# Altium PCB CL-HC-M-V2.1.PcbDoc (part 1 of 19)
Units mil, origin at the board's own origin, x right, y up, seen from the top; angles counter-clockwise.
Board outline 27559.06 x 27559.06 mil, 2 copper layers (TopLayer, BottomLayer); 704 components, 528 nets, 2453 pads, 1851 vias.
Unrouted connection lines stored in the file: 126.
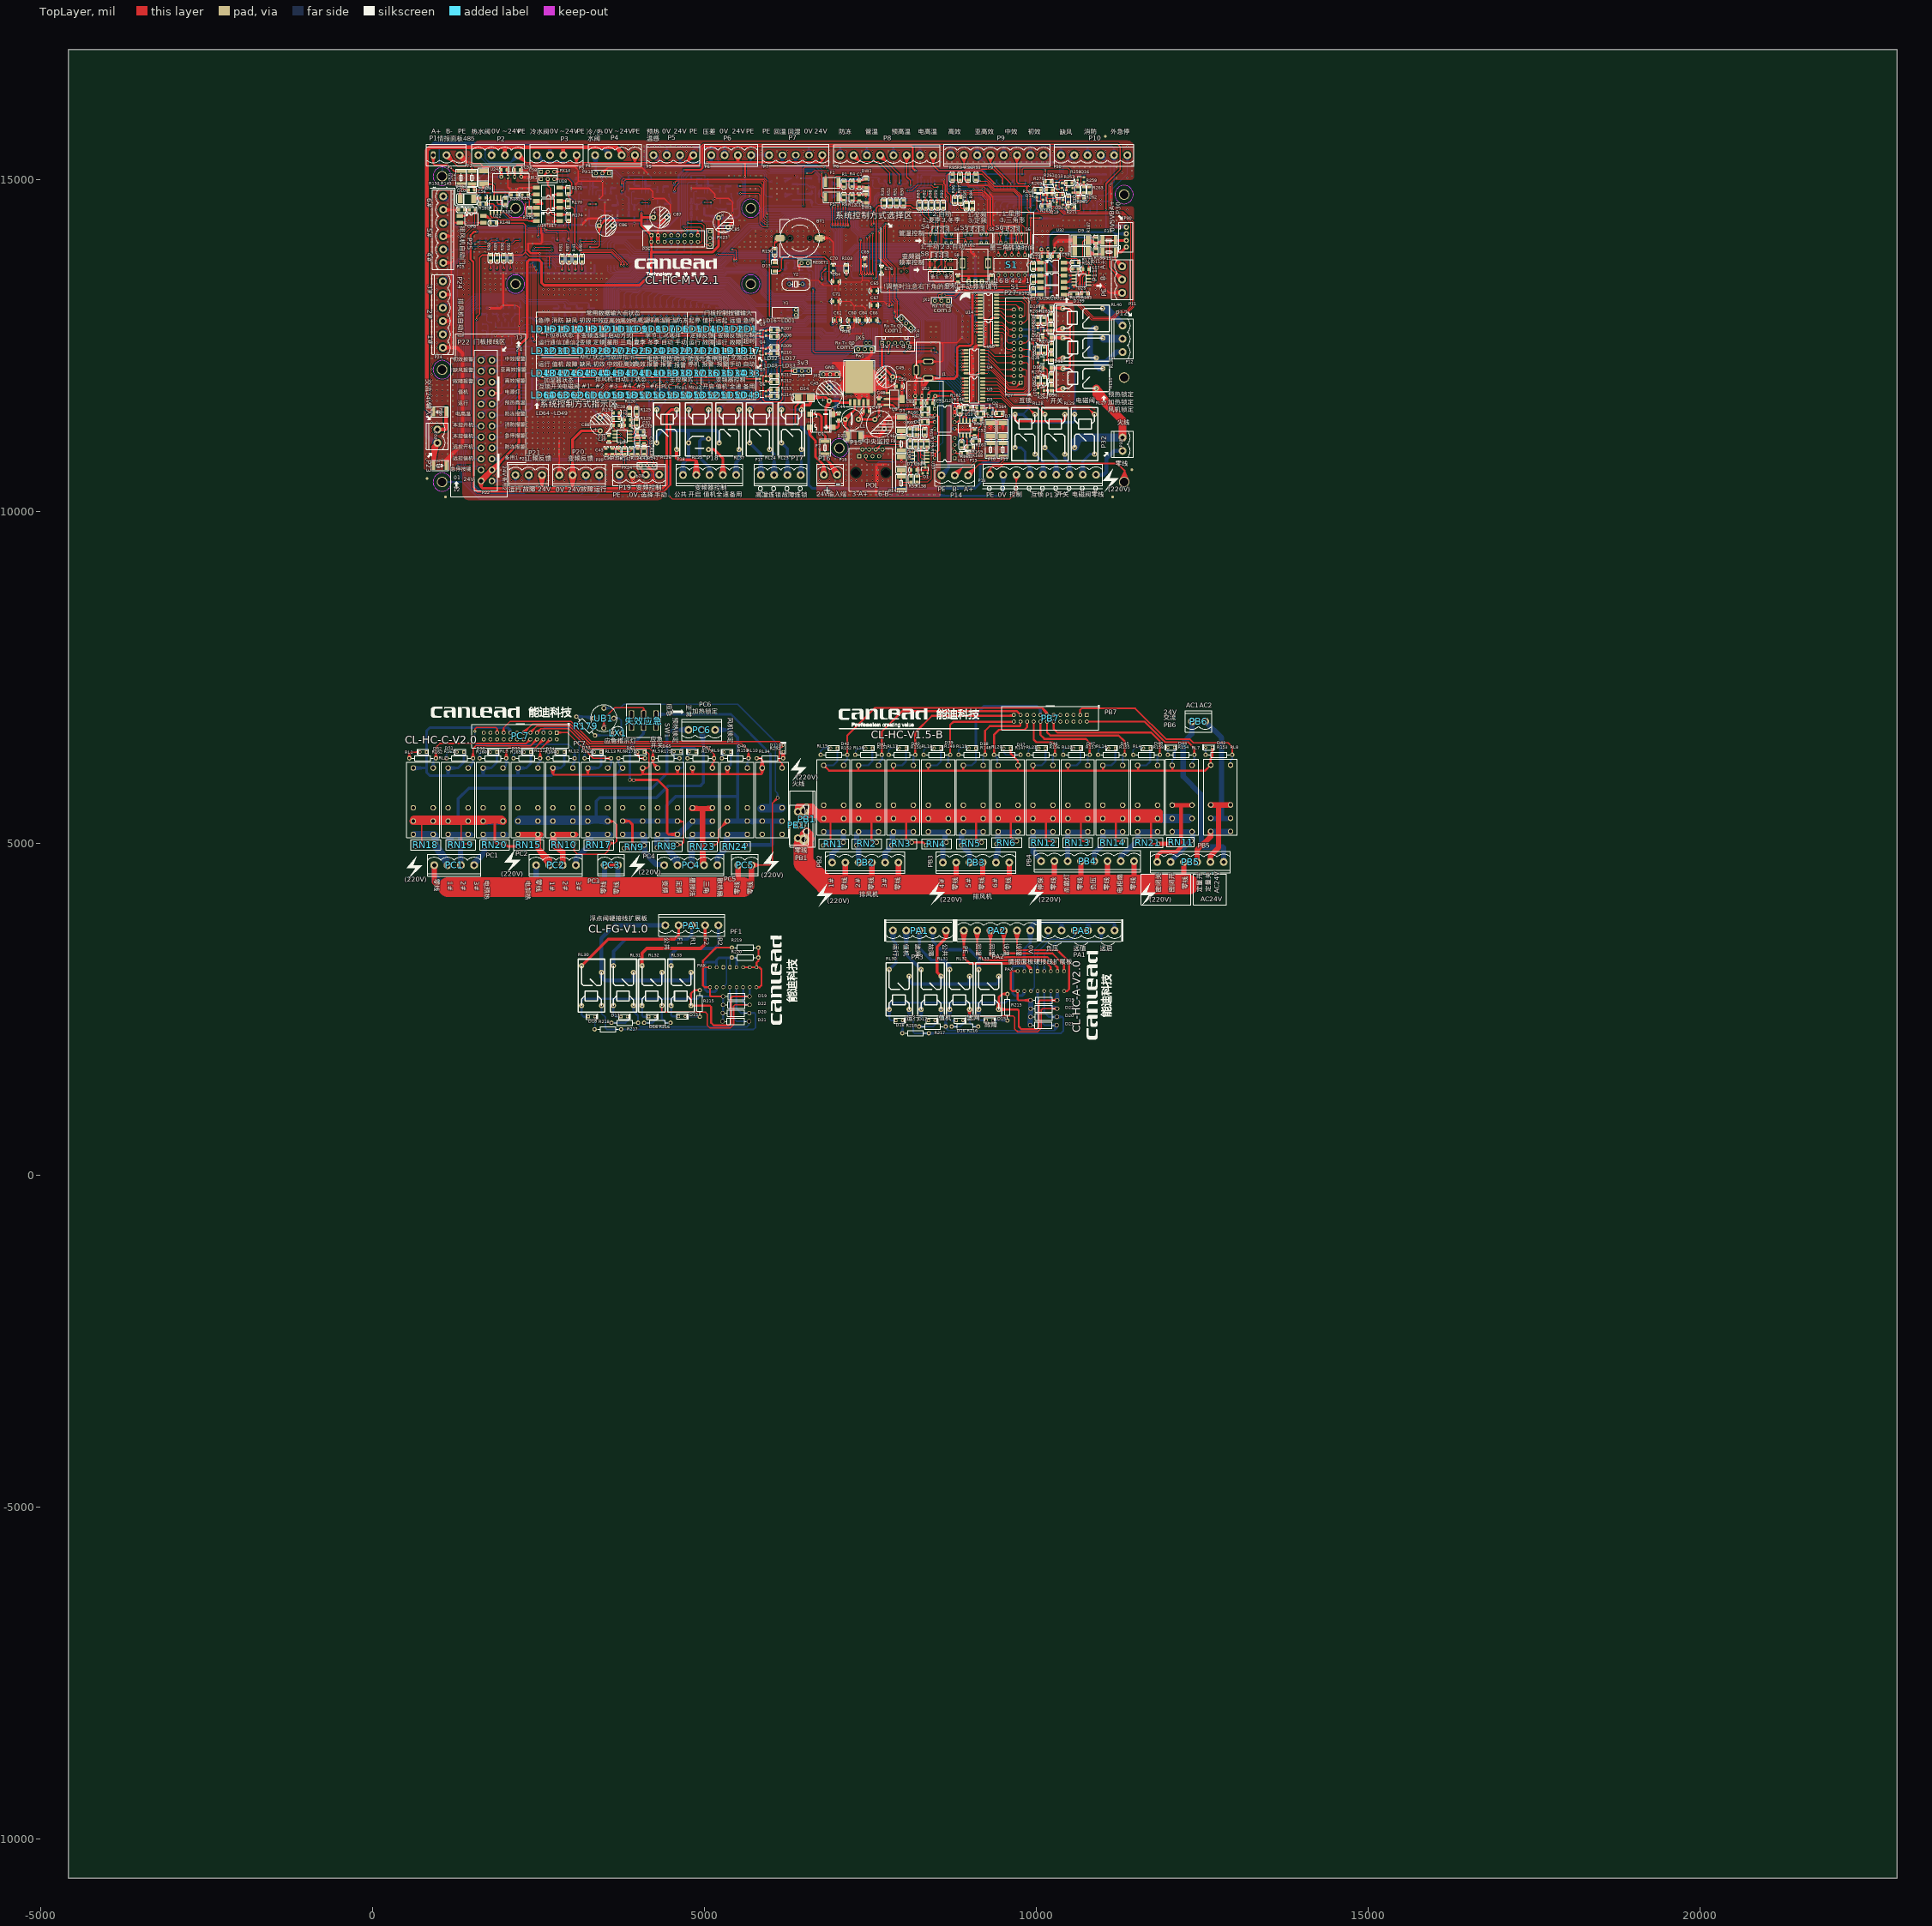
[diagram p0: TopLayer view]
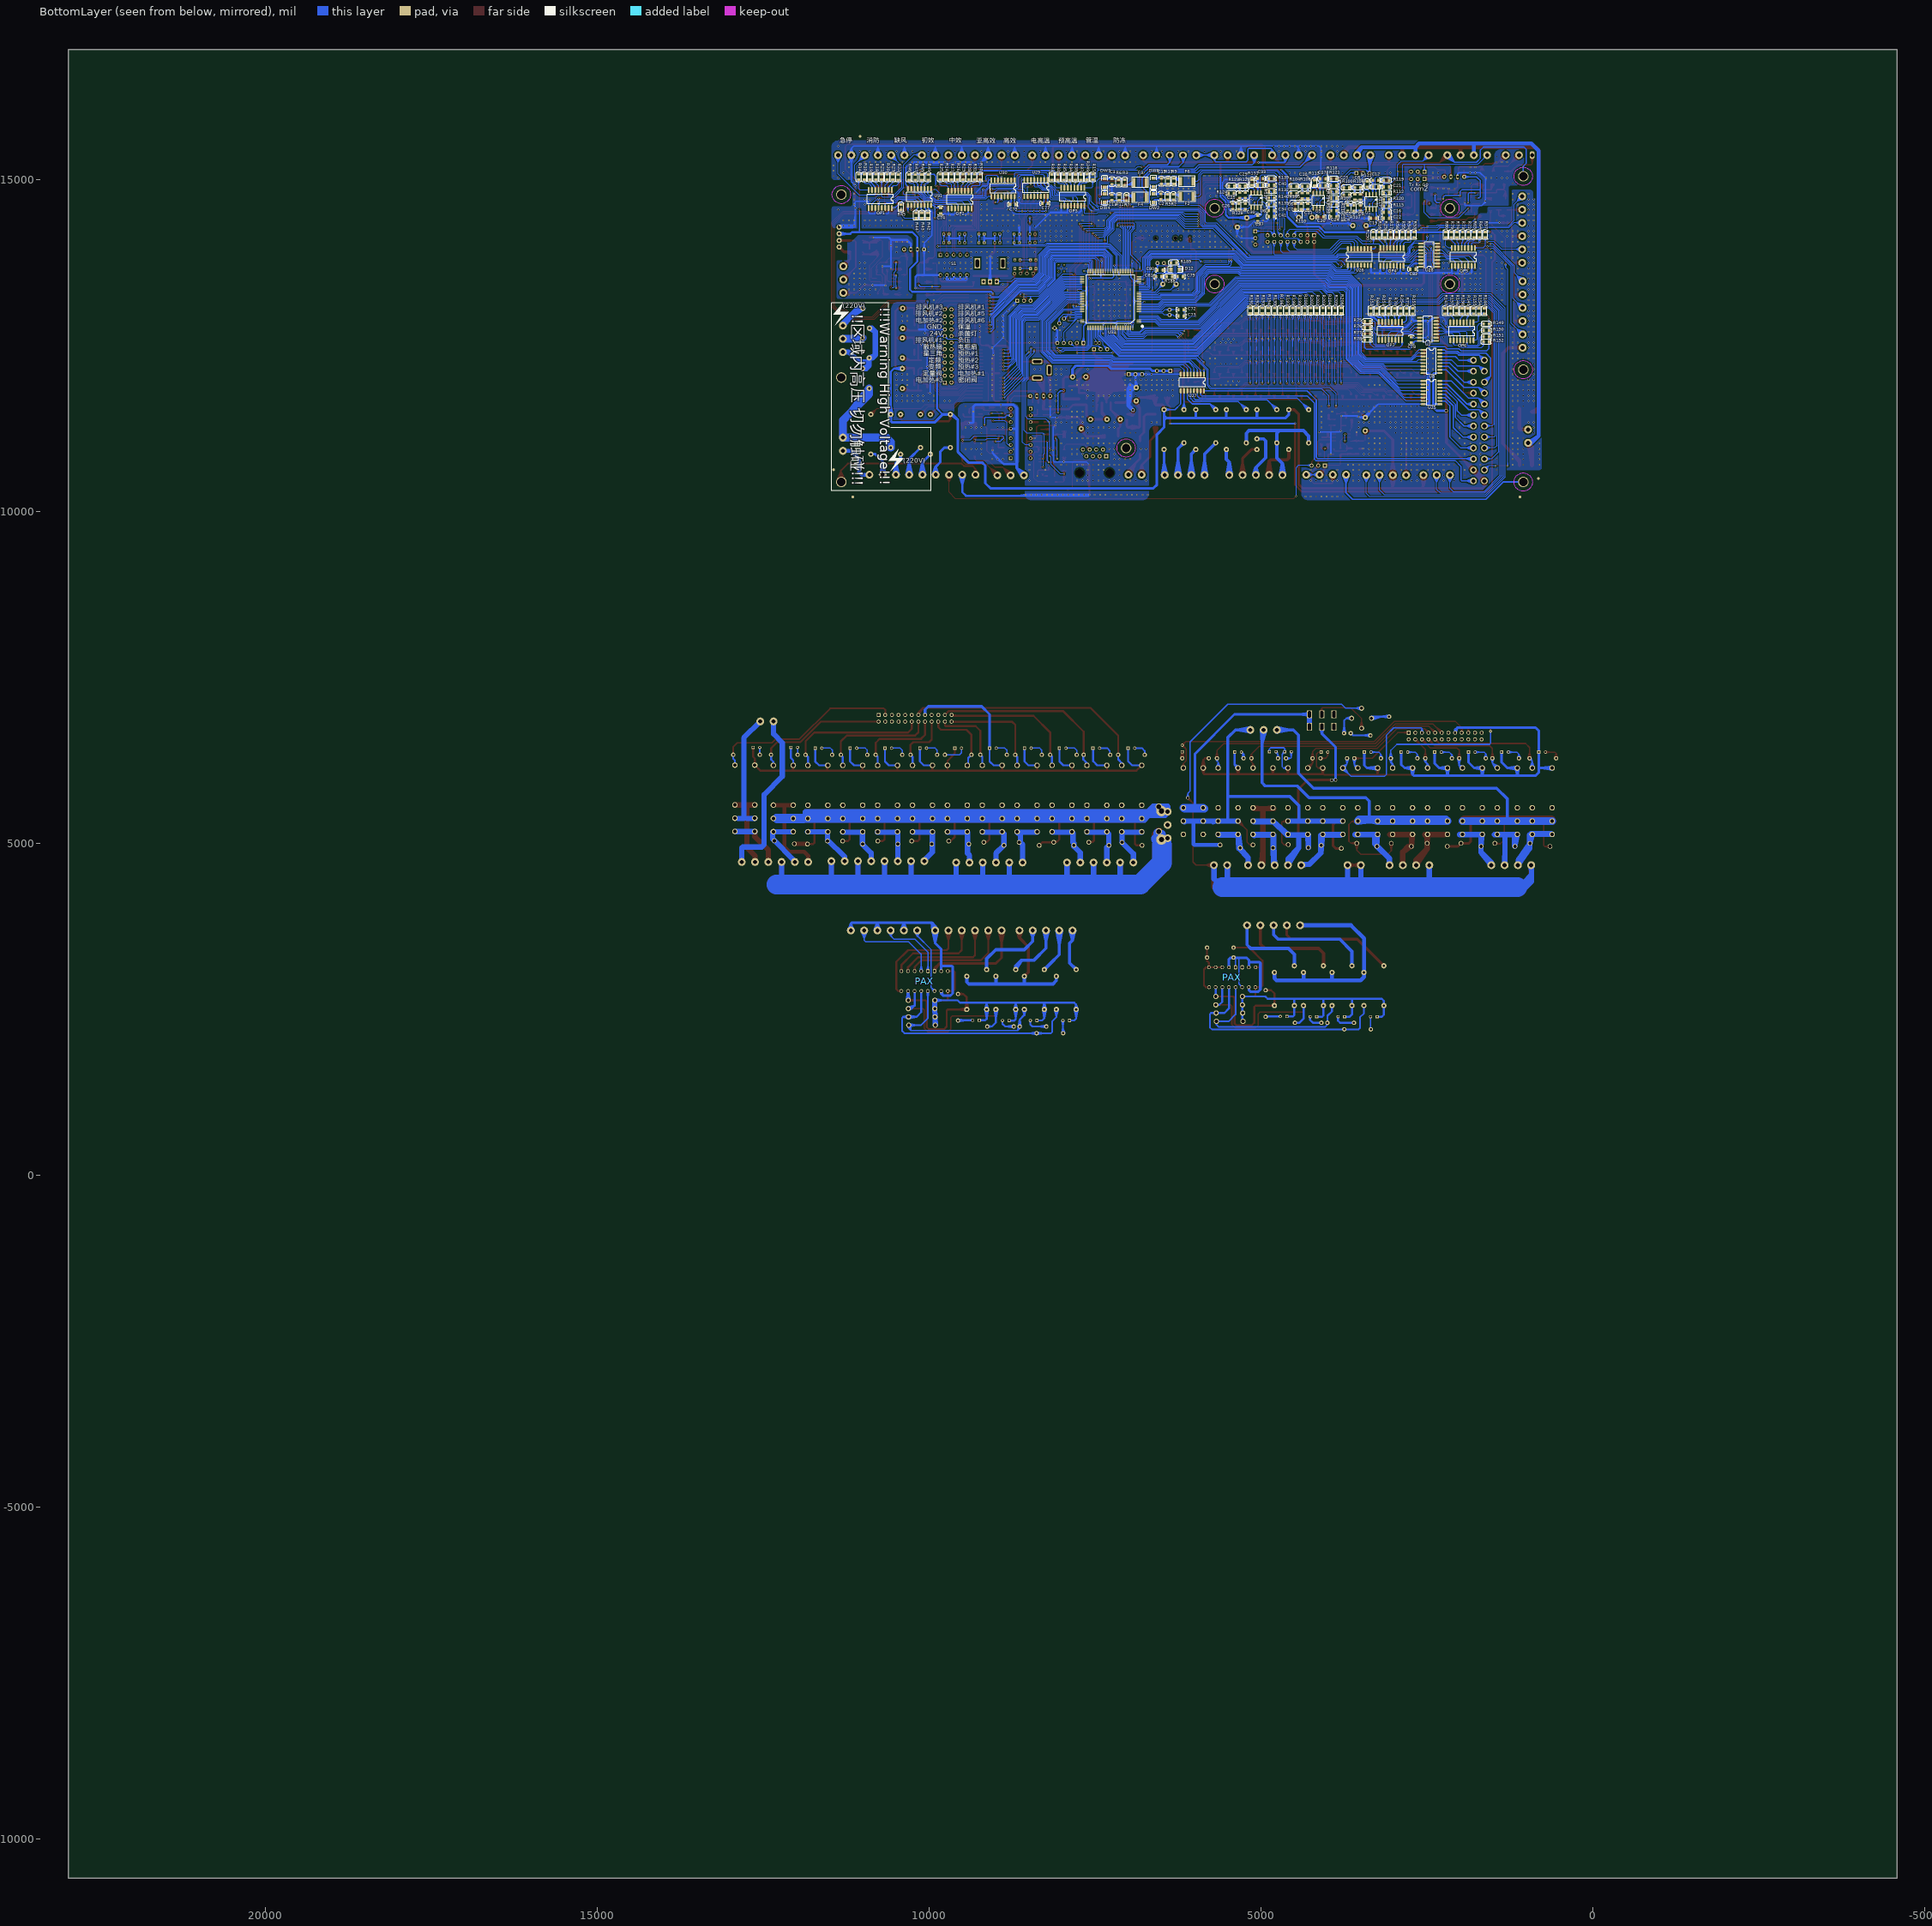
[diagram p1: BottomLayer view, seen from below]
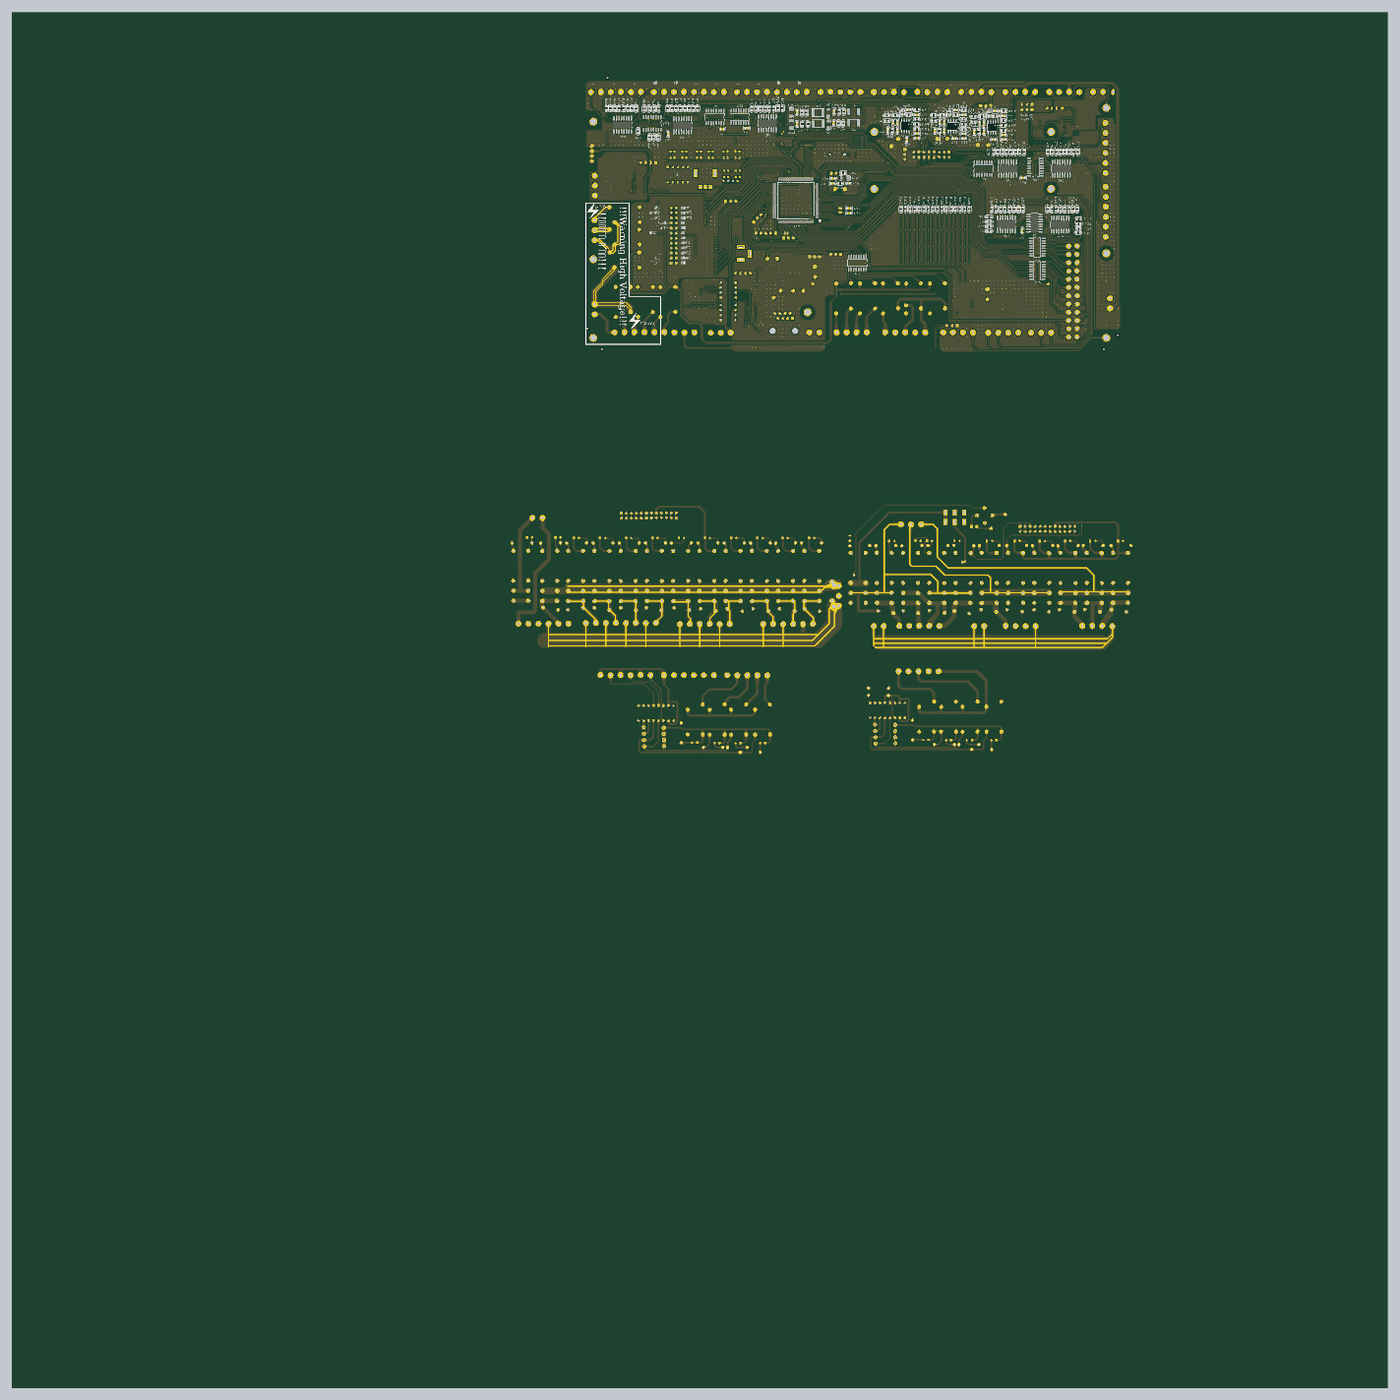
[diagram p20: 3D render of the assembled board from below, using the file's embedded part models]

## Layer stack, top to bottom
TopSolder: solder mask 0.4, Solder Resist, Dk 3.5
TopLayer: signal copper 1.4
Dielectric1: dielectric 12.6, FR-4, Dk 4.8
BottomLayer: signal copper 1.4
BottomSolder: solder mask 0.4, Solder Resist, Dk 3.5

## Board outline
-4585.22,16963.99 22973.83,16963.99 22973.83,-10595.06 -4585.22,-10595.06

## Design rules (kind name [scope] priority, off if disabled: settings)
Clearance Clearance_2 [All] p1: gap=8
Clearance Clearance_1 [All] p2 off: gap=20
Clearance [All] p3 off: gap=15
ComponentClearance [All] p1 off: gap=10 collisioncheckmode=3 verticalgap=10 showdistances=FALSE
FabricationTestPointUsage TestPointUsage [All] p1: valid=0 allowmultiple=FALSE
FabricationTestpoint Testpoint [(IsPad And (OnTopLayer Or OnBottomLayer))] p1: side=3 testpointundercomponent=TRUE minsize=40 maxsize=100 preferedsize=60 minholesize=20 maxholesize=40 preferedholesize=32 testpointgrid=1 allowsidetop=TRUE allowsidebottom=TRUE usegrid=TRUE gridtolerance=0.01
PolygonConnect PolygonConnect_1 [All vs (InPadClass('All Pads'))] p1: connectstyle=NoConnect reliefconductorwidth=10 reliefentries=4 polygonreliefangle="90 Angle" airgapwidth=10
PolygonConnect [All] p2: connectstyle=Direct reliefconductorwidth=10 reliefentries=4 polygonreliefangle="90 Angle" airgapwidth=10
RoomDefinition PolXMain [InComponentClass('PolXMain')] p1: confinementstyle=ConfineIn formatcopy=TRUE lockcomponents=FALSE outline 23018.83,-10508.12 61763.06,-10508.12 61763.06,-7249.06 23018.83,-7249.06
RoutingVias [All] p1: holewidth=15 width=25 viastyle="Through Hole" minholewidth=15 minwidth=25 maxholewidth=15 maxwidth=25
ShortCircuit [All] p1 off: allowed=FALSE
SilkToSolderMaskClearance SilkscreenOverComponentPads [IsPad] p1: minsilkscreentomaskgap=10 clearancetoexposedcopper=TRUE
SolderMaskExpansion [All] p1: expansion=4
Width [All] p1: maxlimit=300 minlimit=10 preferedwidth=30
24 further rules are at their usual default settings.

## Classes and differential pairs
component class PolXMain: BT1 C1 C2 C3 C4 C5 C6 C7 C8 C9 C10 C11 C12 C13 C14 C15 C16 C17 C18 C19 C20 C21 C22 C23 C24 C25 C26 C27 C28 C29 C30 C31 C32 C33 C34 C35 C36 C37 C38 C39 C40 C41 C42 C43 C44 C45 C46 C47 C48 C49 C50 C51 C52 C53 C54 C55 C56 C57 C58 C59 C60 C61 C64 C65 C66 C67 C69 C70 C71 C72 C73 C74 C75 C76 C77 C78 C79 C80 C81 C82 C83 C84 C85 C86 C87 C88 D1 D2 D3 D4 D5 D6 D7 D8 D9 D10 D11 D12 D13 D14 D95 D96 D97 D98 D109 D199 DW1 DW2 DW3 DW4 DW5 DW6 DZ1 F1 F2 F3 F4 F5 F6 F7 F8 F9 F10 F11 F12 F13 F14 F15 F16 F17 J1 J2 JX1 JX2 JX4 JX5 JX7 JX8 L1 LD1 LD2 LD3 LD4 LD5 LD6 LD7 LD8 LD9 LD10 LD11 LD12 LD13 LD14 LD15 LD16 LD17 LD18 LD19 LD20 LD21 LD22 LD23 LD24 LD25 LD26 LD27 LD28 LD29 LD30 LD31 LD32 LD33 LD34 LD35 LD36 LD37 LD38 LD39 LD40 LD41 LD42 LD43 LD44 LD45 LD46 LD47 LD48 LD49 LD50 LD51 LD52 LD53 LD54 LD55 LD56 LD57 LD58 LD59 LD60 LD61 LD62 LD63 LD64 OP1 OP2 OP3 OP4 OP5 OP6 OP7 OP8 P1 P2 P3 P4 P5 P6 P7 P8 P9 P10 P11 P12 P13 P14 P15 P16 P17 P18 P19 P20 P21 P22 P23 P24 P25 P26 P27 P30 P32 Pw1 PX14 PX15 PX23 PX24 Q1 Q2 Q3 Q4 Q5 Q6 Q13 Q15 Q16 Q17 Q18 Q19 Q20 Q21 Q22 R1 R2 R3 R4 R5 R6 R7 R8 R9 R10 R11 R12 R13 R14 R15 R16 R17 R18 R19 R20 R21 R22 R23 R24 R25 R26 R27 R28 R29 R30 R31 R32 R33 R34 R35 R36 R37 R38 R39 R40 R41 R42 R43 R44 R45 R46 R47 R48 R49 R50 R51 R52 R53 R54 R55 R56 R57 R58 R59 R60 R61 R62 R63 R64 R65 R66 R67 R68 R69 R70 R71 R72 R73 R74 R75 R76 R77 R78 R79 R80 R81 R82 R83 R84 R85 R86 R87 R88 R89 R90 R91 R92 R93 R94 R95 R96 R97 R98 R99 R100 R101 R102 R103 R104 R105 R106 R107 R108 R109 R110 R111 R112 R113 R114 R115 R116 R117 R118 R119 R120 R121 R122 R123 R124 R125 R126 R127 R128 R129 R130 R131 R132 R133 R134 R135 R136 R137 R138 R139 R140 R141 R142 R143 R144 R145 R146 R147 R148 R149 R150 R151 R152 R153 R154 R155 R156 R157 R158 R159 R160 R161 R162 R163 R164 R165 R166 R167 R168 R169 R170 R171 R172 R173 R174 R175 R176 R177 R178 R179 R180 R181 R182 R183 R184 R185 R186 R187 R188 R189 R190 R191 R192 R193 R194 R195 R196 R197 R198 R199 R200 R201 R202 R203 R204 R205 R206 R207 R208 R209 R210 R211 R212 R213 R214 R249 R250 R251 R252 R253 R254 R255 R257 R258 R259 R260 R261 R262 R263 R264 R265 R266 R267 R268 R269 R270 R271 R272 R275 R276 R283 R284 R285 RESET1 RL23 RL24 RL25 RL26 RL27 RL28 RL29 RL35 RL36 RL37 RL40 S1 S4 S5 S6 S8 U1 U2 U3 U4 U5 U6 U7 U8 U9 U10 U11 U12 U13 U14 U15 U16 U17 U18 U19 U20 U21 U22 U23 U24 U25 U26 U27 U28 U29 U30 U31 U32 U33 U52 Y1 Y2

## Components (designator, comment, footprint, x,y, rotation, side; value= is the part's Value field where it differs from the comment)
BT1 "BATTERY" BAT 6139.26,14120.12 r90 top
C1 "104" C0805 7332.76,14932.54 r270 top
C2 "104" C0805 6510.11,14746.78 r90 bottom
C3 "104" C0805 7246.13,14969.68 r270 bottom
C4 "105" C0805C 3587.74,14737.86 r270 bottom
C5 "105" C0805C 3692.74,14573.71 r270 bottom
C6 "105" C0805C 4381.15,14758.72 r270 bottom
C7 "105" C0805C 4486.15,14594.57 r270 bottom
C8 "105" C0805C 3502.74,14737.86 r270 bottom
C9 "105" C0805C 3502.74,14573.71 r90 bottom
C10 "105" C0805C 4296.15,14758.72 r270 bottom
C11 "105" C0805C 4296.15,14594.57 r90 bottom
C12 "104" C0805 3275.24,14990.36 r180 bottom
C13 "104" C0805 7248.04,14731.17 r90 bottom
C14 "104" C0805 7332.76,14727.54 r270 top
C15 "104" C0805 6501.61,14975.13 r90 bottom
C16 "104" C0805 3110.24,14511.47 r180 bottom
C17 "104" C0805 4068.65,15011.22 r180 bottom
C18 "104" C0805 3903.65,14532.33 r180 bottom
C19 "104" C0805 3305.24,14417.71 r180 bottom
C20 "104" C0805 4098.65,14438.57 r180 bottom
C21 "105" C0805C 3110.24,14890.36 r180 bottom
C22 "105" C0805C 3110.24,14417.71 r0 bottom
C23 "105" C0805C 3903.65,14911.22 r180 bottom
C24 "105" C0805C 3903.65,14438.57 r0 bottom
C25 "105" C0805C 5321.86,14763.43 r270 bottom
C26 "105" C0805C 5426.86,14599.28 r270 bottom
C27 "105" C0805C 3839.15,11383.14 r180 top
C28 "105" C0805C 3675,11488.14 r180 top
C29 "105" C0805C 5236.86,14763.43 r270 bottom
C30 "105" C0805C 5236.86,14599.28 r90 bottom
C31 "105" C0805C 3839.15,11298.14 r180 top
C32 "105" C0805C 3675,11298.14 r0 top
C33 "104" C0805 5009.36,15015.93 r180 bottom
C34 "104" C0805 4844.36,14537.05 r180 bottom
C35 "104" C0805 4091.65,11070.64 r270 top
C36 "104" C0805 3612.77,10905.64 r270 top
C37 "104" C0805 5049.19,14415.56 r90 bottom
C38 "104" C0805 8818.93,13507.2 r270 top
C39 "104" C0805 3560.43,11103.46 r270 top
C40 "105" C0805C 4844.36,14915.93 r180 bottom
C41 "105" C0805C 4844.36,14443.28 r0 bottom
C42 "105" C0805C 3991.65,10905.64 r270 top
C43 "105" C0805C 3519,10905.64 r90 top
C44 "104" C0805 7022.52,11424.95 r90 top
C45 "1000U/35V" E10MM-13 6882.38,11766.61 r90 top
C46 "1000uf/25V" E10MM-13 7640.45,11317.65 r315 top
C47 "104" C0805 7439.88,11513.36 r0 top
C48 "104" c0805 7631.8,11650.76 r90 top
C49 "220u/16V" E8MM 7740.45,12029.54 r180 top
C50 "106" c0805 7938.02,11888.18 r180 top
C51 "104" c0805 8398.14,11635.09 r0 top
C52 "104" c0805 9072.38,11191.3 r270 top
C53 "104" c0805 8155.38,10626.04 r180 top
C54 "104" C0805 2182.87,15147.69 r180 top
C55 "104" C0805 10129.41,13844.31 r180 top
C56 "104" C0805 1662.77,14725.9 r0 top
C57 "104" C0805 10747.81,13650.26 r0 top
C58 "104" C0805 1982.87,15147.69 r180 top
C59 "104" C0805 10291.8,13845.3 r0 top
C60 "104" C0805 7220,12881.06 r180 top
C61 "104" C0805 6999.78,12881.06 r180 top
C64 "104" C0805 6982.28,13461 r180 top
C65 "104" C0805 7555.16,13323.92 r0 top
C66 "104" C0805 7548.03,12881.15 r0 top
C67 "104" C0805 7555.16,13107.39 r0 top
C69 "104" C0805 7415.47,13765.87 r270 top
C70 "104" C0805 6943.64,13665.08 r270 top
C71 "104" C0805 6982.28,13165.89 r180 top
C72 "5pF?" C0805 6203.69,13039.87 r180 bottom
C73 "5pF?" c0805 6203.69,12944.87 r180 bottom
C74 "104" C0805 9828.96,14531.53 r90 bottom
C75 "104" C0805 8741.25,14627.72 r180 bottom
C76 "104" c0805 7669.17,13638.49 r270 top
C77 "104" C0805 8255.15,14644.2 r180 bottom
C78 "104" C0805 2736.79,12585.97 r270 bottom
C79 "15pf" c0805 6218.15,13538.72 r180 bottom
C80 "104" c0805 6520.14,13637.37 r180 bottom
C81 "15pf" c0805 6542.72,13538.72 r0 bottom
C82 "104" C0805 2712.05,13651.55 r180 bottom
C83 "104" c0805 8224.92,11635.59 r0 top
C84 "104" C0805 7385.08,12880.16 r180 top
C85 "220u/35V" E8MM 5287.19,14356.5 r315 top
C86 "220u/35V" E8MM 3517.44,14306.66 r0 top
C87 "220u/35V" E8MM 4332.38,14431.89 r0 top
C88 "220u/35V" E8MM 3430.52,11316.98 r90 top
D1 "DB207S" Brg 6762.38,11368.36 r0 top
D2 "SMBJ6.8" SMBJ_SMT 7967.38,10723.36 r270 top
D3 "SMBJ6.8" SMBJ_SMT 7966.46,11317.65 r270 top
D4 "RED" 0805_B 8192.38,11158.69 r90 top
D5 "GREEN" 0805_B 9181.04,11563.66 r180 top
D6 "SMBJ6.8" SMBJ_SMT 9312.92,11235.08 r270 top
D7 "SMBJ6.8" SMBJ_SMT 9498.46,11234.72 r270 top
D8 "SMBJ6.8" SMBJ_SMT 1672.37,15030.63 r270 top
D9 "SMBJ6.8" SMBJ_SMT 10678,14091.48 r0 top
D10 "SMBJ6.8" SMBJ_SMT 1421.34,14709.77 r180 top
D11 "SMBJ6.8" SMBJ_SMT 10678,13917.18 r0 top
D12 "1n4148" 1206AK1 6294.88,13646.98 r180 bottom
D13 "1N4148" 1206AK1 6060.46,13686.13 r90 top
D14 "1n4007" M7AK 6598.18,11720.15 r180 top
D15 "" RT_LED1 9296.41,2334.08 r180 top (schematic designator D64)
D15 "" RT_LED1 4660.73,2391.48 r180 top (schematic designator D64)
D16 "" RT_LED1 8846.41,2330.19 r180 top (schematic designator D63)
D16 "" RT_LED1 4210.73,2387.59 r180 top (schematic designator D63)
D17 "" RT_LED1 8426.41,2330.71 r180 top (schematic designator D62)
D17 "" RT_LED1 3790.73,2388.11 r180 top (schematic designator D62)
D18 "" RT_LED1 7936.41,2330.71 r180 top (schematic designator D59)
D18 "" RT_LED1 3300.73,2388.11 r180 top (schematic designator D59)
D19 "1n4007" DIODEAK 10116.86,2636.18 r180 top (schematic designator D70)
D19 "1n4007" DIODEAK 5481.18,2693.58 r180 top (schematic designator D70)
D20 "1n4007" DIODEAK 10112.89,2385.72 r180 top (schematic designator D69)
D20 "1n4007" DIODEAK 5477.22,2443.12 r180 top (schematic designator D69)
D21 "1n4007" DIODEAK 10108.66,2260.5 r180 top (schematic designator D4)
D21 "1n4007" DIODEAK 5472.98,2317.9 r180 top (schematic designator D4)
D22 "1n4007" DIODEAK 10116.86,2509.37 r180 top (schematic designator D68)
D22 "1n4007" DIODEAK 5481.18,2566.77 r180 top (schematic designator D68)
D37 "GREEN" RT_LED1 9563.41,6434.7 r0 top
D38 "GREEN" RT_LED1 9040.3,6434.7 r0 top
D39 "GREEN" RT_LED1 8514.67,6434.7 r0 top
D40 "GREEN" RT_LED1 7989.04,6434.7 r0 top
D41 "GREEN" RT_LED1 7483.41,6434.7 r0 top
D42 "RED" RT_LED1 6953.41,6434.7 r0 top
D43 "GREEN" RT_LED1 12603.41,6444.7 r0 top
D44 "GREEN" RT_LED1 12033.41,6444.7 r0 top
D45 "GREEN" RT_LED1 11142.83,6434.7 r0 top
D46 "" RT_LED1 10091.57,6434.7 r0 top
D47 "GREEN" RT_LED1 10617.2,6434.7 r0 top
D48 "GREEN" RT_LED1 11668.47,6434.7 r0 top
D49 "GREEN" RT_LED1 5347.1,6375.37 r0 top locked
D50 "GREEN" RT_LED1 1824.9,6375.37 r0 top locked
D51 "" RT_LED1 1324.9,6375.37 r0 top locked
D52 "GREEN" RT_LED1 764.9,6375.37 r0 top locked
D53 "GREEN" RT_LED1 3394.9,6375.37 r0 top locked
D54 "GREEN" RT_LED1 2840.54,6375.37 r0 top locked
D55 "GREEN" RT_LED1 2334.9,6375.37 r0 top locked
D61 "GREEN" RT_LED1 4044.9,6375.37 r0 top locked
D65 "GREEN" RT_LED1 4594.9,6380.37 r0 top locked
D67 "GREEN" RT_LED1 4824.17,6381.29 r0 top locked
D95 "4148" 1206AK 10164.38,12161.36 r0 top
D96 "GREEN" 0805_B 10226.39,11901.36 r270 top
D97 "4148" 1206AK 10164.38,12621.37 r0 top
D98 "GREEN" 0805_B 10226.39,12361.37 r270 top
D109 "4148" 1206AK 10160.32,13067.82 r0 top
D110 "GREEN" RT_LED1 6188.28,6428.82 r270 top
D199 "GREEN" 0805_B 10222.34,12807.82 r270 top
DW1 "5.1V" 1206AK 7432.76,14945.04 r90 top
DW2 "5.1V" 1206AK 6620.11,14722 r270 bottom
DW3 "5.1V" 1206AK 7356.7,14952.02 r90 bottom
DW4 "5.1V" 1206AK 7358.04,14724.21 r270 bottom
DW5 "5.1V" 1206AK 7432.76,14715.04 r90 top
DW6 "5.1V" 1206AK 6621.61,14958.35 r270 bottom
DZ1 "SS36/60V" SMBJ_SMT 7253.77,11134.27 r180 top
F1 "X14" PPTC_SMT 6922.76,14955.04 r0 top
F2 "X14" PPTC_SMT 6117.12,14746.76 r0 bottom
F3 "X14" PPTC_SMT 6823.99,14957.71 r0 bottom
F4 "X14" PPTC_SMT 6825.87,14734.23 r0 bottom
F5 "X14" PPTC_SMT 6922.76,14735.04 r0 top
F6 "X14" PPTC_SMT 6117.12,14973.96 r0 bottom
F7 "X15" PPTC_SMT 6822.38,10963.66 r90 top
F8 "X14" PPTC_SMT 7966.46,11018.36 r90 top
F9 "X14" PPTC_SMT 7967.38,10428.87 r90 top
F10 "X14" PPTC_SMT 9312.92,10933.36 r90 top
F11 "X14" PPTC_SMT 9498.46,10932.99 r90 top
F12 "X14" PPTC_SMT 1499.59,15031.14 r270 top
F13 "X14" PPTC_SMT 11098.67,14084.99 r180 top
F14 "X14" PPTC_SMT 1335.62,15031.06 r270 top
F15 "X14" PPTC_SMT 11098.18,13911.45 r180 top
F16 "2A" PPTC_SMT 1013.52,11503.41 r0 top
F17 "2A" PPTC_SMT 1012.9,10694.18 r180 top
J1 "Header 3" DC-005A 8550.36,12555.85 r180 top
J2 "CON5" CZ5-2.54 7676.73,12539.55 r0 top
JX1 "Header 3" HDR1X3 2539.14,15010.19 r0 top
JX2 "Header 3" HDR1X3 8673.16,13176.97 r180 top
JX4 "Header 3" HDR1X3 8111.34,12765.15 r135 top
JX5 "Header 3" HDR1X3 7518.58,12446.05 r180 top
JX7 "" HDR1X3 6993.27,12068.83 r180 top
JX8 "" HDR1X3 6368.68,12119.38 r0 top
L1 "330uH" L8MM 7222.38,11388.36 r0 top
LD1 "GR" 0805_B 5622.17,12747.16 r0 top
LD2 "GR" 0805_B 5416.38,12747.16 r0 top
LD3 "GR" 0805_B 5210.59,12747.16 r0 top
LD4 "GR" 0805_B 5004.8,12747.16 r0 top
LD5 "GR" 0805_B 4799.01,12747.16 r0 top
LD6 "GR" 0805_B 4593.22,12747.16 r0 top
LD7 "GR" 0805_B 4387.43,12747.16 r0 top
LD8 "GR" 0805_B 4181.64,12747.16 r0 top
LD9 "GR" 0805_B 3975.85,12747.16 r0 top
LD10 "GR" 0805_B 3770.06,12747.16 r0 top
LD11 "GR" 0805_B 3564.27,12747.16 r0 top
LD12 "GR" 0805_B 3358.48,12747.16 r0 top
LD13 "GR" 0805_B 3152.69,12747.16 r0 top
LD14 "GR" 0805_B 2946.9,12747.16 r0 top
LD15 "GR" 0805_B 2741.11,12747.16 r0 top
LD16 "GR" 0805_B 2535.32,12747.16 r0 top
LD17 "GR" 0805_B 5622.17,12419.54 r0 top
LD18 "GR" 0805_B 5416.38,12419.54 r0 top
LD19 "GR" 0805_B 5210.59,12419.54 r0 top
LD20 "GR" 0805_B 5004.8,12419.54 r0 top
LD21 "GR" 0805_B 4799.01,12419.54 r0 top
LD22 "GR" 0805_B 4593.22,12419.54 r0 top
LD23 "GR" 0805_B 4387.43,12419.54 r0 top
LD24 "RD" 0805_B 4181.64,12419.54 r0 top
LD25 "GR" 0805_B 3975.85,12419.54 r0 top
LD26 "GR" 0805_B 3770.06,12419.54 r0 top
LD27 "GR" 0805_B 3564.27,12419.54 r0 top
LD28 "GR" 0805_B 3358.48,12419.54 r0 top
LD29 "GR" 0805_B 3152.69,12419.54 r0 top
LD30 "GR" 0805_B 2946.9,12419.54 r0 top
LD31 "GR" 0805_B 2741.11,12419.54 r0 top
LD32 "GR" 0805_B 2535.32,12419.54 r0 top
LD33 "GR" 0805_B 5622.17,12086.56 r0 top
LD34 "GR" 0805_B 5416.38,12086.56 r0 top
LD35 "GR" 0805_B 5210.59,12086.56 r0 top
LD36 "RED" 0805_B 5004.8,12086.56 r0 top
LD37 "RED" 0805_B 4799.01,12086.56 r0 top
LD38 "RED" 0805_B 4593.22,12086.56 r0 top
LD39 "RED" 0805_B 4387.43,12086.56 r0 top
LD40 "RED" 0805_B 4181.64,12086.56 r0 top
LD41 "RED" 0805_B 3975.85,12086.56 r0 top
LD42 "RED" 0805_B 3770.06,12086.56 r0 top
LD43 "RED" 0805_B 3564.27,12086.56 r0 top
LD44 "RED" 0805_B 3358.48,12086.56 r0 top
LD45 "RED" 0805_B 3152.69,12086.56 r0 top
LD46 "RED" 0805_B 2946.9,12086.56 r0 top
LD47 "GR" 0805_B 2741.11,12086.56 r0 top
LD48 "GR" 0805_B 2535.32,12086.56 r0 top
LD49 "GR" 0805_B 5622.72,11753.58 r0 top
LD50 "GR" 0805_B 5416.93,11753.58 r0 top
LD51 "GR" 0805_B 5211.14,11753.58 r0 top
LD52 "GR" 0805_B 5005.35,11753.58 r0 top
LD53 "GR" 0805_B 4799.56,11753.58 r0 top
LD54 "GR" 0805_B 4593.77,11753.58 r0 top